# Altium PCB A1_v40.PcbDoc (part 1 of 2)
Units mm, origin at the board's own origin, x right, y up, seen from the top; angles counter-clockwise.
Board outline 100 x 80 mm, 2 copper layers (Top Layer, Bottom Layer); 81 components, 87 nets, 322 pads, 40 vias.
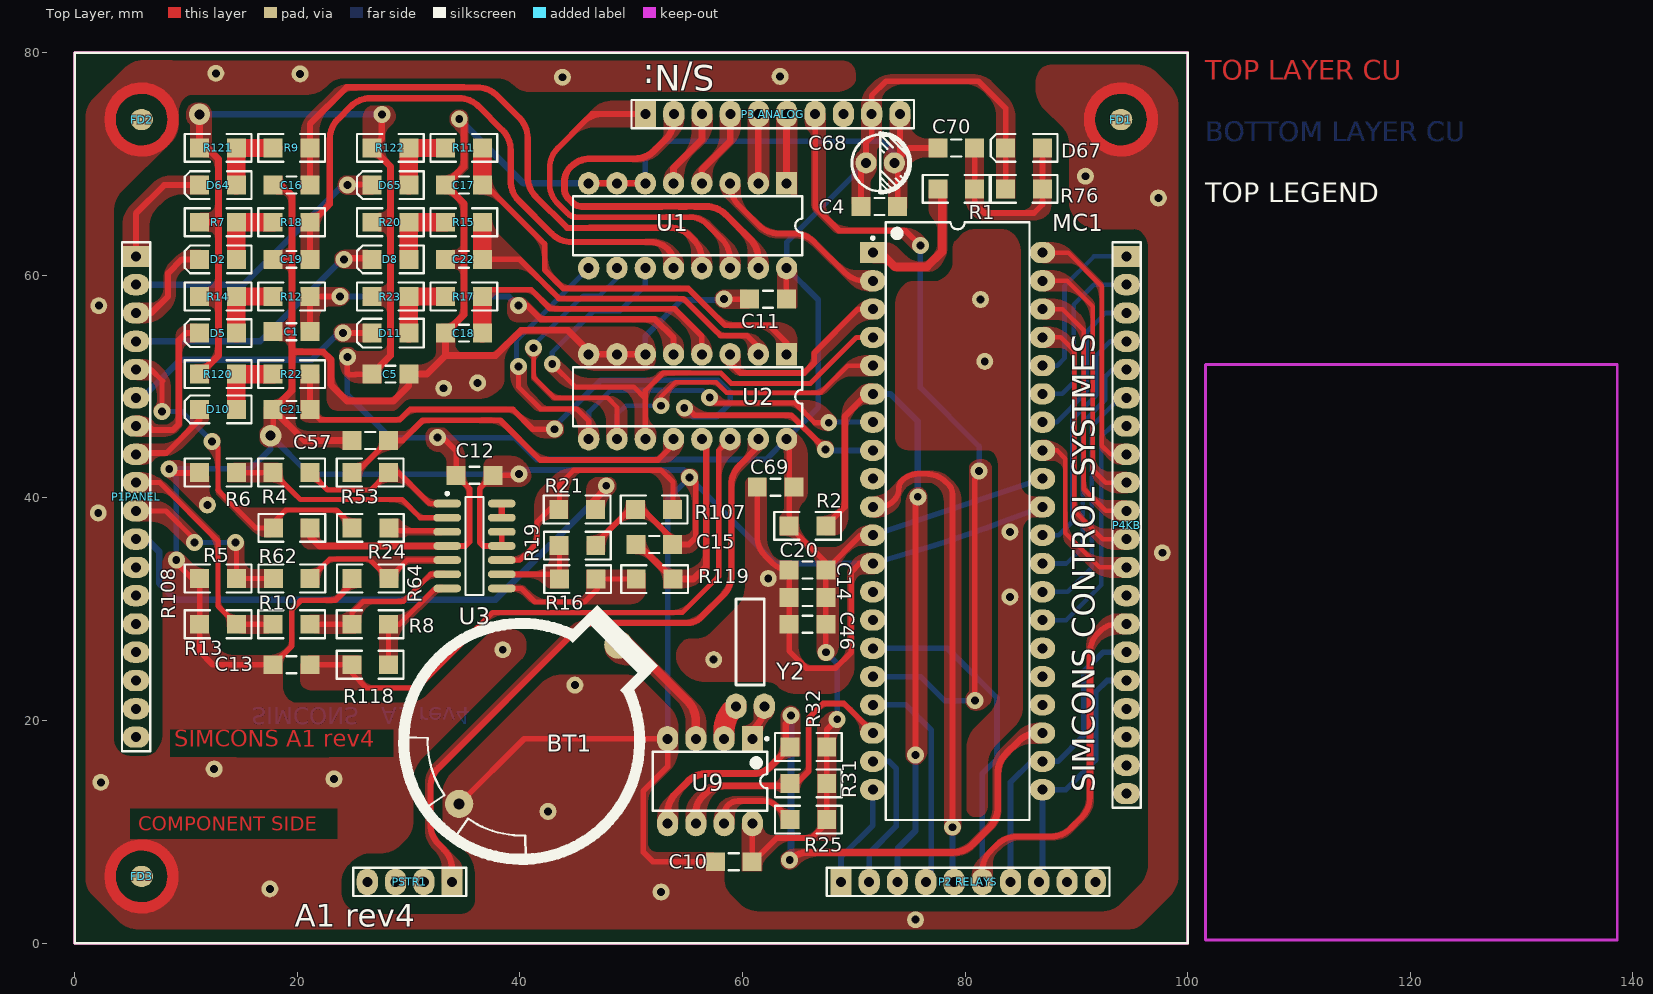
[diagram p0: Top Layer view]
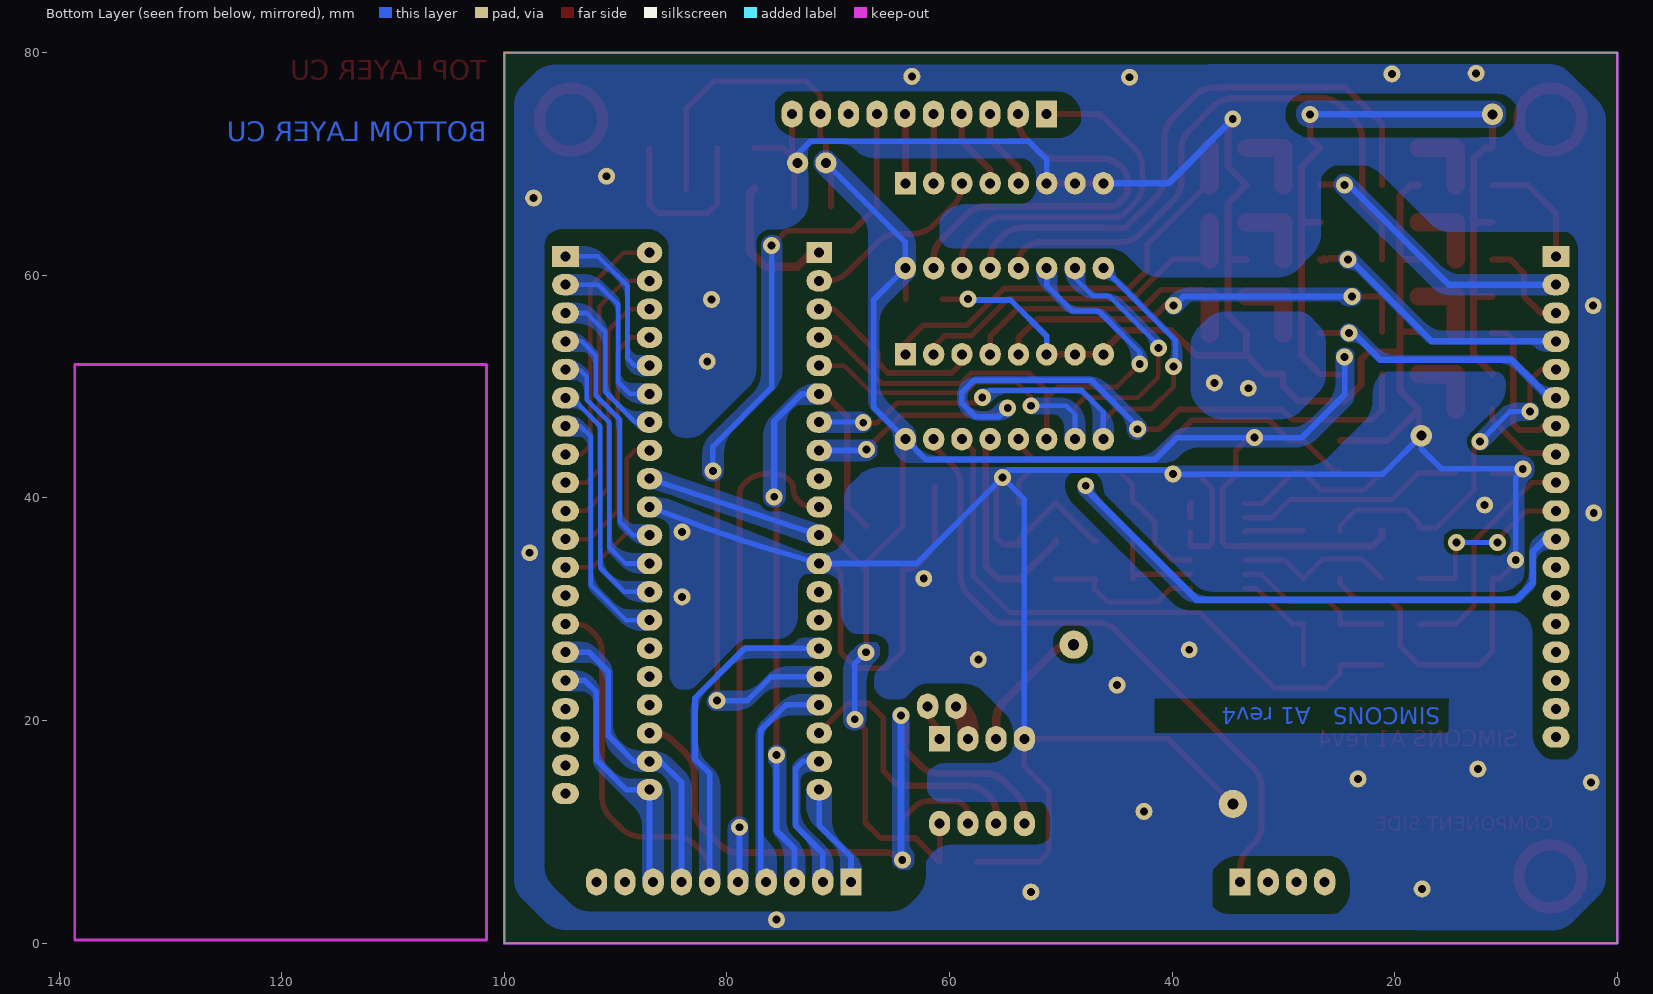
[diagram p1: Bottom Layer view, seen from below]
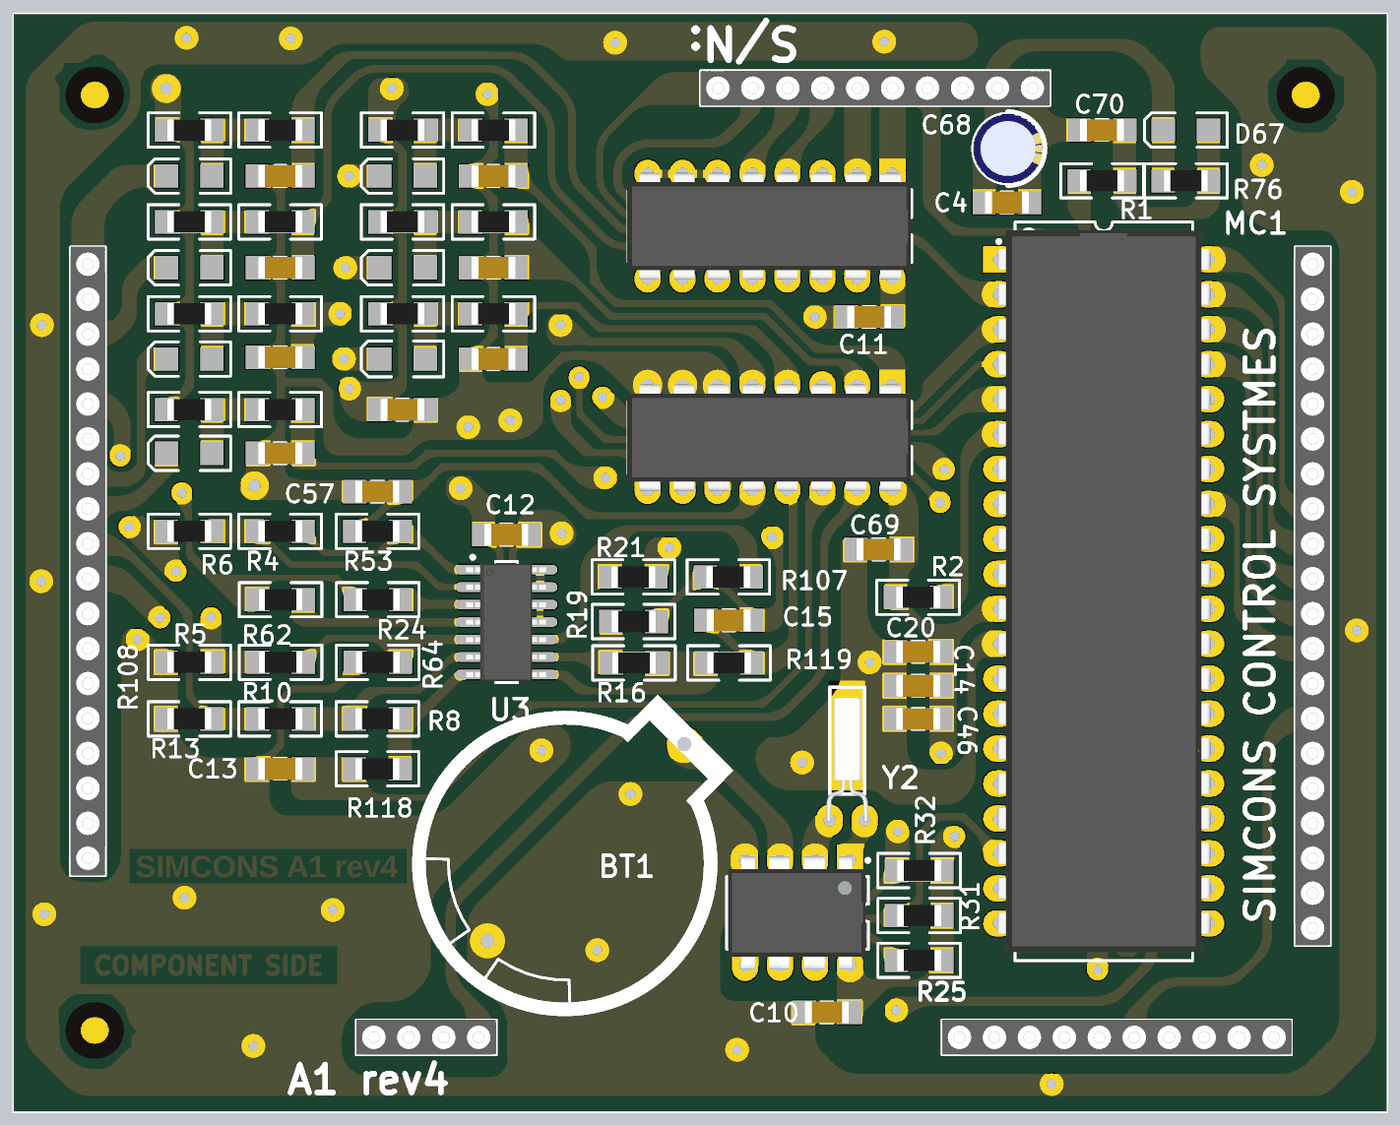
[diagram p3: 3D render of the assembled board from above, using the file's embedded part models]

## Layer stack, top to bottom
Top Solder: solder mask 0.0102, Solder Resist, Dk 3.5
Top Layer: signal copper 0.0356
Dielectric1: dielectric 0.32, FR-4, Dk 4.8
Bottom Layer: signal copper 0.0356
Bottom Solder: solder mask 0.0102, Solder Resist, Dk 3.5

## Board outline
0,0 100,0 100,80 0,80

## Design rules (kind name [scope] priority, off if disabled: settings)
Clearance [All] p1: gap=0.406 ignorepadtopadclearanceinfootprint=FALSE
Height [All] p1: minheight=0 maxheight=254 prefheight=12.7
MinimumSolderMaskSliver [All] p1 off: minsoldermaskwidth=0.254
PlaneClearance [All] p1: clearance=0.559
PlaneConnect [All] p1: planeconnectstyle=Direct reliefexpansion=0.508 reliefentries=4 reliefconductorwidth=0.254 reliefairgap=0.254
PolygonConnect [All] p1: connectstyle=Direct reliefconductorwidth=0.254 reliefentries=4 polygonreliefangle="90 Angle" airgapwidth=0.254
RoutingVias [All] p1: holewidth=0.711 width=1.905 viastyle="Through Hole" minholewidth=0.711 minwidth=1.524 maxholewidth=0.711 maxwidth=2.54
SilkToSilkClearance [All] p1 off: silktosilkclearance=0.254
SilkToSolderMaskClearance SilkscreenOverComponentPads [IsPad] p1 off: minsilkscreentomaskgap=0.254 clearancetoexposedcopper=TRUE
SolderMaskExpansion [All] p1: expansion=0.102
Width [All] p1: maxlimit=3.048 minlimit=0.406 preferedwidth=0.559
24 further rules are at their usual default settings.

## Classes and differential pairs
component class PROCESSORv35: C10 C11 C14 C46 C68 C69 C70 D67 FD1 FD2 FD3 MC1 P1PANEL "P2 RELAYS" "P3 ANALOG" P4KB PSTR1 R1 R2 R76 U1 U2
component class IO_v35: BT1 C1 C4 C5 C12 C13 C15 C16 C17 C18 C19 C20 C21 C22 C57 D2 D5 D8 D10 D11 D64 D65 R4 R5 R6 R7 R8 R9 R10 R11 R12 R13 R14 R15 R16 R17 R18 R19 R20 R21 R22 R23 R24 R25 R31 R32 R53 R62 R64 R107 R108 R118 R119 R120 R121 R122 U3 U9 Y2

## Components (designator, comment, footprint, x,y, rotation, side; value= is the part's Value field where it differs from the comment)
BT1 "CR2032" CELL_HOLDER 40.157,18.136 r45 top
C1 ".1uF 1206" C1206 19.475,54.94 r0 top value=100pF
C4 ".1uF 1206" C1206 72.288,66.192 r180 top value=100pF
C5 ".1uF 1206" C1206 28.365,51.13 r180 top value=100pF
C10 ".1uF 1206" C1206 59.207,7.315 r0 top value=100pF
C11 ".1uF 1206" C1206 62.281,57.861 r0 top value=100pF
C12 ".1uF 1206" C1206 35.916,42.037 r180 top value=100pF
C13 "1uF 1206" C1206 19.475,25.019 r180 top value=1uF
C14 "1uF 1206" C1206 65.837,31.064 r0 top value=100pF
C15 "1uF 1206" C1206 52.07,35.814 r0 top value=1uF
C16 ".1uF 1206" C1206 19.475,68.113 r0 top value=100pF
C17 ".1uF 1206" C1206 34.969,68.113 r0 top value=100pF
C18 ".1uF 1206" C1206 34.969,54.813 r0 top value=100pF
C19 ".1uF 1206" C1206 19.475,61.438 r0 top value=100pF
C20 ".1uF 1206" C1206 65.837,33.528 r0 top value=100nF
C21 ".1uF 1206" C1206 19.475,47.955 r0 top value=100pF
C22 ".1uF 1206" C1206 34.969,61.438 r0 top value=100pF
C46 ".1uF 1206" C1206 65.837,28.651 r0 top value=100pF
C57 "1uF 1206" C1206 26.543,45.161 r180 top value=10uF
C68 "100uF/25V" CAP_.1 72.365,70.104 r90 top value=100pF
C69 ".1uF 1206" C1206 62.967,40.97 r0 top value=100pF
C70 "1uF 1206" C1206 79.197,71.45 r180 top value=10uF
D2 "1N4148 SMD" 4148SMDW 12.871,61.438 r0 top
D5 "1N4148 SMD" 4148SMDW 12.871,54.813 r0 top
D8 "1N4148 SMD" 4148SMDW 28.365,61.438 r0 top
D10 "1N4148 SMD" 4148SMDW 12.871,47.955 r0 top
D11 "1N4148 SMD" 4148SMDW 28.365,54.813 r0 top
D64 "1N4148 SMD" 4148SMDW 12.871,68.113 r0 top
D65 "1N4148 SMD" 4148SMDW 28.365,68.113 r0 top
D67 "1N4148 SMD" 4148SMDW 85.293,71.45 r0 top
FD1 "Fiducial - Round" "FIDUCIAL 2mm" 94,74 r180 top locked
FD2 "Fiducial - Round" "FIDUCIAL 2mm" 6,74 r180 top locked
FD3 "Fiducial - Round" "FIDUCIAL 2mm" 6,6 r180 top locked
MC1 "PIC18F4620-I/P" PDIP600-P40 79.324,37.922 r0 top
P1PANEL "Header 18" HDR1X18_BURGE_F 5.5,61.7 r270 top locked
"P2 RELAYS" "Header 10" HDR1X10_BURGE_F 68.84,5.5 r0 top locked
"P3 ANALOG" "Header 10" HDR1X10_BURGE_F 51.28,74.5 r0 top locked
P4KB "Header 20" HDR1X20_BURGE_F 94.5,61.7 r270 top locked
PSTR1 "Header 4" HDR1X4_BURGE_F 33.9,5.5 r180 top locked
R1 "4.7K 1206" R1206 79.197,67.767 r0 top value=10K
R2 "4.7K 1206" R1206 65.837,37.49 r180 top value=1K
R4 "220K 1206" R1206 19.475,42.291 r180 top value=33K
R5 "1K 1206" R1206 19.5,37.312 r180 top value=1K
R6 "100K 1206" R1206 12.871,42.291 r180 top value=10K
R7 "2.2K 1206" R1206 12.871,64.775 r0 top value=1K
R8 "1M 1206" R1206 26.543,28.651 r0 top value=1K
R9 "100K 1206" R1206 19.475,71.45 r0 top value=1K
R10 "1M 1206" R1206 19.475,28.651 r0 top value=1K
R11 "100K 1206" R1206 34.969,71.45 r0 top value=1K
R12 "100K 1206" R1206 19.475,58.1 r0 top value=10K
R13 "47K 1206" R1206 12.871,28.651 r0 top value=100
R14 "2.2K 1206" R1206 12.871,58.1 r0 top value=1K
R15 "100K 1206" R1206 34.969,64.775 r0 top value=33K
R16 "220K 1206" R1206 45.187,32.715 r0 top value=1K
R17 "100K 1206" R1206 34.969,58.1 r0 top value=1K
R18 "100K 1206" R1206 19.475,64.775 r0 top value=10K
R19 "220K 1206" R1206 45.161,35.725 r180 top value=1K
R20 "2.2K 1206" R1206 28.365,64.775 r0 top value=1K
R21 "100K 1206" R1206 45.136,38.964 r0 top value=100
R22 "100K 1206" R1206 19.475,51.13 r0 top value=1K
R23 "2.2K 1206" R1206 28.365,58.1 r0 top value=1K
R24 "100K 1206" R1206 26.568,37.312 r0 top value=1K
R25 "100K 1206" R1206 65.913,11.1 r180 top value=1K
R31 "4.7K 1206" R1206 65.913,14.351 r180 top value=1K
R32 "4.7K 1206" R1206 65.913,17.628 r180 top value=1K
R53 "220K 1206" R1206 26.543,42.291 r0 top value=33K
R62 "1M 1206" R1206 19.5,32.766 r0 top value=1K
R64 "1M 1206" R1206 26.568,32.766 r0 top value=1K
R76 "100K 1206" R1206 85.293,67.767 r0 top value=33K
R107 "220K 1206" R1206 52.045,38.964 r180 top value=100
R108 "47K 1206" R1206 12.871,32.766 r0 top value=1K
R118 "100K 1206" R1206 26.543,25.019 r180 top value=1K
R119 "220K 1206" R1206 52.095,32.715 r0 top value=1K
R120 "2.2K 1206" R1206 12.871,51.13 r180 top value=1K
R121 "2.2K 1206" R1206 12.871,71.45 r180 top value=1K
R122 "2.2K 1206" R1206 28.365,71.45 r180 top value=1K
U1 "HCF4051BEY" DIP16 55.067,64.465 r180 top
U2 "HCF4051BEY" DIP16 55.067,49.098 r180 top
U3 "LM324D" SOIC14_M 35.916,35.687 r0 top
U9 "DS1307" DIP-8 57.074,14.554 r270 top
Y2 "XTAL 32.768KHz 6pF" XTALWATCH 60.681,21.285 r0 top

## Footprints (in the part's own frame and the unit in brackets; to place one, negate y for a bottom-side part, rotate by r counter-clockwise, add the part's x,y. Pads: shape width x height; smd on the part's side, far side on the other; paste and mask are expansions set on the pad)
4148SMDW [mm] "Diode 250mA"
  rect 1.7x1.7 smd: 1(1.65,0) 2(-1.65,0)
  silkscreen extent -3,-1.25 3,1.25, body extent -1.78,-0.76 1.91,0.76, height 1.52
C1206 [mm] "Chip Capacitor, Body 3.2x1.6mm, IPC High Density"
  rect 1.7x1.7 smd: 1(-1.65,0) 2(1.65,0)
  silkscreen extent -0.44,-0.76 0.44,0.76, body extent -1.6,-0.8 1.6,0.8, height 1
CAP_.1 [mm]
  round 1.905 hole 0.9: 1(0,1.27) 2(0,-1.27)
  silkscreen extent -2.67,-2.67 2.67,2.54, body extent -2.54,-2.54 2.54,2.54, height 12.7
CELL_HOLDER [mm] "Lithium Battery Holder for CR2032 3V Cell"
  round 2.54 hole 1: 1(12.275,0)
  round 2.54 hole 1 mask+0: 2(-7.95,0)
  silkscreen extent -10.6,-10.6 13.47,10.6, body extent -10.62,-10.59 13.17,10.63, height 10
DIP16 [mm] "DIP; 16 Leads; Row Spacing 7.62 mm; Pitch 2.54 mm"
  rect 1.905x2.032 hole 0.9: 1(-8.89,-3.81)
  oval 1.905x2.032 hole 0.9: 2(-6.35,-3.81) 3(-3.81,-3.81) 4(-1.27,-3.81) 5(1.27,-3.81) 6(3.81,-3.81) 7(6.35,-3.81) 8(8.89,-3.81) 9(8.89,3.81) 10(6.35,3.81) 11(3.81,3.81) 12(1.27,3.81) 13(-1.27,3.81) 14(-3.81,3.81) 15(-6.35,3.81) 16(-8.89,3.81)
  silkscreen extent -10.3,-2.65 10.3,2.65, body extent -10.24,-3.88 10.36,3.88, height 4.5
DIP-8 [mm] "DIP; 8 Leads; Row Spacing 7.62 mm; Pitch 2.54 mm"
  rect 2.286x1.905 hole 0.9: 1(-3.81,3.81)
  oval 2.286x1.905 hole 0.9: 2(-3.81,1.27) 3(-3.81,-1.27) 4(-3.81,-3.81) 5(3.81,-3.81) 6(3.81,-1.27) 7(3.81,1.27) 8(3.81,3.81)
  silkscreen extent -3.93,-5.15 2.65,5.24, body extent -4.13,-5.06 4.13,4.94, height 5.1
"FIDUCIAL 2mm" [mil]
  oval 80x75 smd paste-59.06 mask+43.31: ""(0,0)
HDR1X4_BURGE_F [mm] "Connector; Header; 4 Position"
  rect 1.905x2.413 hole 0.9: 1(0,0)
  oval 1.905x2.413 hole 0.9: 2(2.54,0) 3(5.08,0) 4(7.62,0)
  silkscreen extent -1.27,-1.27 8.89,1.27, body extent -1.27,-1.27 8.89,1.27, height 6.02
HDR1X10_BURGE_F [mm] "Connector; Header; 10 Position"
  rect 1.905x2.413 hole 0.9: 1(0,0)
  oval 1.905x2.413 hole 0.9: 2(2.54,0) 3(5.08,0) 4(7.62,0) 5(10.16,0) 6(12.7,0) 7(15.24,0) 8(17.78,0) 9(20.32,0) 10(22.86,0)
  silkscreen extent -1.27,-1.27 24.13,1.27, body extent -1.27,-1.27 24.13,1.27, height 6.02
HDR1X18_BURGE_F [mm] "Connector; Header; 18 Position"
  rect 1.905x2.413 hole 0.9: 1(0,0)
  oval 1.905x2.413 hole 0.9: 2(2.54,0) 3(5.08,0) 4(7.62,0) 5(10.16,0) 6(12.7,0) 7(15.24,0) 8(17.78,0) 9(20.32,0) 10(22.86,0) 11(25.4,0) 12(27.94,0) 13(30.48,0) 14(33.02,0) 15(35.56,0) 16(38.1,0) 17(40.64,0) 18(43.18,0)
  silkscreen extent -1.27,-1.27 44.45,1.27, body extent -1.27,-1.27 44.45,1.27, height 6.02
HDR1X20_BURGE_F [mm] "Connector; Header; 20 Position"
  rect 1.905x2.413 hole 0.9: 1(0,0)
  oval 1.905x2.413 hole 0.9: 2(2.54,0) 3(5.08,0) 4(7.62,0) 5(10.16,0) 6(12.7,0) 7(15.24,0) 8(17.78,0) 9(20.32,0) 10(22.86,0) 11(25.4,0) 12(27.94,0) 13(30.48,0) 14(33.02,0) 15(35.56,0) 16(38.1,0) 17(40.64,0) 18(43.18,0) 19(45.72,0) 20(48.26,0)
  silkscreen extent -1.27,-1.27 49.53,1.27, body extent -1.27,-1.27 49.53,1.27, height 6.02
PDIP600-P40 [mm] "DIP, 40-Leads, Row Spacing 15.24mm, Pitch 2.54mm, Body 51.8x13.5mm"
  rect 2.286x1.905 hole 0.9: 1(-7.62,24.13)
  oval 2.286x1.905 hole 0.9: 2(-7.62,21.59) 3(-7.62,19.05) 4(-7.62,16.51) 5(-7.62,13.97) 6(-7.62,11.43) 7(-7.62,8.89) 8(-7.62,6.35) 9(-7.62,3.81) 10(-7.62,1.27) 11(-7.62,-1.27) 12(-7.62,-3.81) 13(-7.62,-6.35) 14(-7.62,-8.89) 15(-7.62,-11.43) 16(-7.62,-13.97) 17(-7.62,-16.51) 18(-7.62,-19.05) 19(-7.62,-21.59) 20(-7.62,-24.13) 21(7.62,-24.13) 22(7.62,-21.59) 23(7.62,-19.05) 24(7.62,-16.51) 25(7.62,-13.97) 26(7.62,-11.43) 27(7.62,-8.89) 28(7.62,-6.35) 29(7.62,-3.81) 30(7.62,-1.27) 31(7.62,1.27) 32(7.62,3.81) 33(7.62,6.35) 34(7.62,8.89) 35(7.62,11.43) 36(7.62,13.97) 37(7.62,16.51) 38(7.62,19.05) 39(7.62,21.59) 40(7.62,24.13)
  silkscreen extent -7.74,-26.85 6.45,26.85, body extent -7.75,-26.22 7.75,26.22, height 5.7
R1206 [mm] "Chip Capacitor, Body 3.2x1.6mm, IPC High Density"
  rect 1.7x1.7 smd: 1(-1.65,0) 2(1.65,0)
  silkscreen extent -3,-1.25 3,1.25, body extent -1.59,-0.77 1.59,0.77, height 0.63
SOIC14_M [mm] "SOIC, 14-Leads, Body 8.7x3.9mm, Pitch 1.27mm, IPC Low Density"
  oval 2.5x0.7 smd: 1(-2.45,3.81) 2(-2.45,2.54) 3(-2.45,1.27) 4(-2.45,0) 5(-2.45,-1.27) 6(-2.45,-2.54) 7(-2.45,-3.81) 8(2.45,-3.81) 9(2.45,-2.54) 10(2.45,-1.27) 11(2.45,0) 12(2.45,1.27) 13(2.45,2.54) 14(2.45,3.81)
  silkscreen extent -2.57,-4.4 0.8,4.83, body extent -2.92,-4.28 2.88,4.27, height 1.75
XTALWATCH [mm]
  oval 1.905x2.286 hole 0.9: 1(1.27,0) 2(-1.27,0)
  silkscreen extent -1.27,1.91 1.27,9.65, body extent -1.53,-0.08 1.53,8.9, height 2

## Part data
BT1: library part Battery, "Multicell Battery", LatestRevisionDate=17-Jul-2002, LatestRevisionNote="Re-released for DXP Platform.", PackageDescription="Battery; 2 Leads", PackageReference=BAT-2, Published=24-Mar-1999, Publisher="Altium Limited"
C1 C4 C5 C10 C11 C12 C14 C16 C17 C18 C19 C20 C21 C22 C46 C68 C69: library part Cap, "Capacitor", LatestRevisionDate=17-Jul-2002, LatestRevisionNote="Re-released for DXP Platform.", PackageDescription="Radial Cap, Thru-Hole; 2 Leads; 0.3 in Pin Spacing", PackageReference=RAD-0.3, Published=8-Jun-2000, Publisher="Altium Limited"
C13 C15 C57 C70: library part Cap2, "Capacitor", PackageDescription="Capacitor; 2 Leads", PackageReference=CAPR5-4X5, Published=23-Sep-2002, Publisher="Altium Limited"
D2 D5 D8 D10 D11 D64 D65 D67: library part "Diode 1N4001", "1 Amp General Purpose Rectifier", Code_JEDEC=DO-204-AL, ComponentLink1Description="Manufacturer Link", ComponentLink1URL=http://www.fairchildsemi.com/, ComponentLink2Description=Datasheet, ComponentLink2URL=http://www.fairchildsemi.com/ds/1N%2F1N4001.pdf, DatasheetVersion=1998, LatestRevisionDate=17-Jul-2002, LatestRevisionNote="Re-released for DXP Platform.", PackageDescription="Diode, Axial; Body 5.2 x 2.7 mm (LxDia. max), Lead Dia. 0.86 mm (max)", PackageReference=DO-41, PackageVersion=Aug-1999, Published=8-Jun-2000, Publisher="Altium Limited"
FD1 FD2 FD3: library part "FIDUCIAL ROUND", "Fiducial - Round 1.5mm Top-Bottom", Category=Graphic-PCB, Status=Unreleased
MC1: library part PIC16F877A-I/P, "Enhanced FLASH Microcontroller, 8K (x14-Bit words) FLASH, 368 Bytes RAM, 40-Pin PDIP, Standard VDD Range, Industrial Temperature", Supplier Part Number 1=PIC16F877A-I/P-ND, ComponentAvailability="Unknown. Contact manufacturer to determine status.", ComponentLink1Description=Datasheet, ComponentLink1URL=http://ww1.microchip.com/downloads/en/DeviceDoc/39582b.pdf, ComponentLink2Description="Packaging Specification", ComponentLink2URL=http://www.microchip.com/stellent/groups/techpub_sg/documents/packagingspec/en012702.pdf, ComponentLink3Description="Microchip.com Home", ComponentLink3URL=http://www.microchip.com/, DatasheetVersion="revB, Oct-2003", LatestRevisionDate=29-Jan-2009, LatestRevisionNote="Sch. layout revised. 3D Model Removed.", PackageDescription="40-Lead Plastic Dual In-Line (P) - 600 mil Body [PDIP]", PackageReference=PDIP600-P40, PackageVersion="revBB, Aug-2009", Published=11-Oct-2004, Publisher="Altium Limited", Supplier 1=Digi-Key, Supplier 2=Farnell, Supplier 3=Farnell, Supplier Part Number 2=1523966, Supplier Part Number 3=9761446
P1PANEL: "Header, 18-Pin", LatestRevisionDate=17-Jul-2002, LatestRevisionNote="Re-released for DXP Platform.", Publisher="Altium Limited"
"P2 RELAYS" "P3 ANALOG": "Header, 10-Pin", LatestRevisionDate=17-Jul-2002, LatestRevisionNote="Re-released for DXP Platform.", Publisher="Altium Limited"
P4KB: "Header, 20-Pin", LatestRevisionDate=17-Jul-2002, LatestRevisionNote="Re-released for DXP Platform.", Publisher="Altium Limited"
PSTR1: "Header, 4-Pin", LatestRevisionDate=17-Jul-2002, LatestRevisionNote="Re-released for DXP Platform.", Publisher="Altium Limited"
R1 R2 R4 R5 R6 R7 R8 R9 R10 R11 R12 R13 R14 R15 R16 R17 R18 R19 R20 R21 R22 R23 R24 R25 R31 R32 R53 R62 R64 R76 R107 R108: library part Res1, "Resistor", LatestRevisionDate=17-Jul-2002, LatestRevisionNote="Re-released for DXP Platform.", PackageDescription="Axial Device, Thru-Hole; 2 Leads; 0.3 in Pin Spacing", Published=8-Jun-2000, Publisher="Altium Limited"
  R1 R76: PackageReference=AXIAL-0.4
  R2 R4 R5 R6 R7 R8 R9 R10 R11 R12 R13 R14 R15 R16 R17 R18 R19 R20 R21 R22 R23 R24 R25 R31 R32 R53 R62 R64 R107 R108: PackageReference=AXIAL-0.3
R118 R119 R120 R121 R122: library part "Res Semi", "Semiconductor Resistor", LatestRevisionDate=17-Jul-2002, LatestRevisionNote="Re-released for DXP Platform.", PackageDescription="Axial Device, Thru-Hole; 2 Leads; 0.5 in Pin Spacing", PackageReference=AXIAL-0.5, Published=8-Jun-2000, Publisher="Altium Limited"
U1 U2: "Analog Multiplexer/Demultiplexer", ComponentLink1Description="Manufacturer Link", ComponentLink1URL=http://www.st.com/, ComponentLink2Description=Datasheet, ComponentLink2URL=http://www.st.com/stonline/products/literature/ds/2053/hcf4051.pdf, DatasheetVersion=Jun-1989, LatestRevisionDate=06-Jun-2005, LatestRevisionNote="Stylized 3D Model Added.", PackageDescription="DIP; 16 Leads; Row Spacing 7.62 mm; Pitch 2.54 mm", PackageReference=DIP16, PackageVersion=Apr-1996, Published=8-Jun-2000, Publisher="Altium Limited"
U3: "Quadruple Operational Amplifier", Code_IPC=SOIC127P600-14, ComponentLink1Description="Manufacturer Link", ComponentLink1URL=http://www.ti.com/, ComponentLink2Description=Datasheet, ComponentLink2URL=http://www-s.ti.com/sc/ds/lm324.pdf, DatasheetVersion=Feb-1997, LatestRevisionDate=13-Apr-2006, LatestRevisionNote="IPC-7351 Footprint Added.", PackageDescription="14-Pin Small Outline Integrated Circuit 1.27 mm Pitch", PackageReference=D014, PackageVersion=Jan-1998, Published=16-Jan-2001, Publisher="Altium Limited"
U9: "64 X 8 Serial Real-Time Clock", ComponentLink1Description="Manufacturer Link", ComponentLink1URL=http://www.maxim-ic.com/, ComponentLink2Description=Datasheet, ComponentLink2URL=http://pdfserv.maxim-ic.com/en/ds/DS1307.pdf, ComponentLink3Description="Discontinuation Notice", ComponentLink3URL=http://www.maxim-ic.com/qa/pdfs/non-obsolescence-letter.pdf, DatasheetVersion=10-Aug-1999, LatestRevisionDate=17-Jul-2002, LatestRevisionNote="Re-released for DXP Platform.", PackageDescription="DIP, 8-Pin, Row Spacing 7.62 mm, Pitch 2.54 mm", PackageReference=DIP8, PackageVersion=1999, Published=13-Oct-2000, Publisher="Altium Limited"
Y2: library part XTAL, "Crystal Oscillator", LatestRevisionDate=17-Jul-2002, LatestRevisionNote="Re-released for DXP Platform.", PackageDescription="Crystal, Thru-Hole; 2 Leads; Body 3.1 x 8.2 mm (Dia.xH)", PackageReference=R38, Published=8-Jun-2000, Publisher="Altium Limited"

## Free pads (board coordinates)
  round 1.524 hole 0.711: 2(23.292,14.757) 3(12.522,15.646) 4(17.526,4.877) 5(42.52,11.836) 6(52.68,4.597) 7(57.404,25.476) 8(62.306,32.766) 9(81.382,57.836) 10(81.763,52.273) 11(36.195,50.343) 12(33.147,49.86) 13(44.933,23.19) 14(84.023,36.957) 15(84.023,31.115) 16(38.456,26.365) 17(90.805,68.91) 18(97.358,66.954) 19(97.714,35.077) 20(75.54,2.108) 21(63.373,77.876) 22(43.815,77.8) 23(20.244,78.105) 24(12.675,78.156) 25(2.159,57.277) 26(2.108,38.659) 27(2.337,14.453) 28(11.913,39.37)

## Via types
v1: diameter 1.524, hole 0.711, Top Layer to Bottom Layer, 38 vias
v2: diameter 1.905, hole 0.9, Top Layer to Bottom Layer, 2 vias

## Nets (pads, with @x,y where several pads share a name; then routed paths per layer and width w, separated by ;. In a path a pad name is that pad's centre, name@x,y a point inside that pad or via, vN(x,y) a via of type N, cw(c..) or ccw(c..) an arc to the next point about the centre after c; other vN are vias at no path point)
AUTO: MC1.40 P4KB.8 | length 23.5
  Top Layer w0.406: MC1.40@86.944,62.052 89.256,62.052 92.278,59.03 92.278,44.704 93.062,43.92 P4KB.8@94.5,43.92
BAT: PSTR1.1 U2.15 | length 58
  Top Layer w0.559: PSTR1.1@33.9,5.5 33.9,6.628 ccw(c31.36,6.628) 33.877,6.966 ccw(c31.36,6.628) 33.156,8.424 32.697,8.883 cw(c34.493,10.679) 31.953,10.679 31.953,13.985 cw(c34.493,13.985) 32.697,15.781 44.951,28.034 cw(c46.747,26.238) 46.747,28.778 55.096,28.778 ccw(c55.096,30.426) 56.261,29.261 58.26,31.26 ccw(c56.464,33.056) 58.992,32.804 ccw(c56.464,33.056) 59.004,33.056 59.004,41.163 cw(c61.544,41.163) 59.748,42.959 61.417,44.628 U2.15@61.417,45.288
BTS+_R: P1PANEL.10 R62.1 R108.2 | length 17.1
  Top Layer w0.457: P1PANEL.10@5.5,38.84 8.201,38.84 10.744,36.297 v1(10.744,35.992) ; v1(14.453,36.017) 14.521,35.949 R108.2@14.521,32.766 R62.1@17.85,32.766
  Bottom Layer w0.457: v1(10.744,35.992) 13.665,35.992 13.868,36.195 14.046,36.017 v1(14.453,36.017)
BTS-_R: P1PANEL.9 R10.1 R13.2 | length 21
  Top Layer w0.457: P1PANEL.9@5.5,41.38 7.636,41.38 12.878,36.139 12.878,30.294 R13.2@14.521,28.651 R10.1@17.825,28.651
BTSBATT: C13.1 R118.2 U2.14 | length 55
  Top Layer w0.457: C13.1@21.125,25.019 R118.2@24.893,25.019 24.893,24.256 26.213,22.936 30.759,22.936 37.534,29.711 47.033,29.711 47.05,29.693 54.587,29.693 57.861,32.967 57.861,44.272 U2.14@58.877,45.288
COMM1: MC1.2 U1.3 | length 16.7
  Top Layer w0.508: U1.3@58.877,68.275 58.877,68.134 ccw(c61.417,68.134) 59.621,66.338 61.461,64.498 ccw(c63.257,66.294) 63.257,63.754 64.632,63.754 cw(c64.632,61.214) 66.428,63.01 69.182,60.256 ccw(c70.979,62.052) 70.979,59.512 MC1.2@71.704,59.512
COMM2: MC1.3 U2.3 | length 16.9
  Top Layer w0.508: U2.3@58.877,52.908 58.877,52.146 59.792,51.232 65.532,51.232 66.446,52.146 66.446,53.035 70.383,56.972 MC1.3@71.704,56.972
CONT_S_IN: D10.2 P1PANEL.8 | length 7.9
  Top Layer w0.508: P1PANEL.8@5.5,43.92 5.624,44.044 8.23,44.044 11.221,47.035 D10.2@11.221,47.955
CONT_SENSE: C21.2 MC1.8 R22.2 | length 69.3
  Top Layer w0.508: C21.2@21.125,47.955 22.065,47.015 29.187,47.015 30.127,47.955 39.37,47.955 41.148,46.177 v1(43.104,46.177) ; v1(54.762,48.082) 55.042,48.082 55.677,47.447 64.364,47.447 v1(67.437,44.374)
  Top Layer w0.559: C21.2@21.125,47.955 R22.2@21.125,51.13
  Bottom Layer w0.508: v1(43.104,46.177) 43.104,46.431 47.244,50.571 57.785,50.571 58.903,49.454 58.903,48.539 57.658,47.295 55.55,47.295 v1(54.762,48.082) ; v1(67.437,44.374) 67.539,44.272 MC1.8@71.704,44.272
DG-B_: "P3 ANALOG.3" U1.5 | length 7.3
  Top Layer w0.61: U1.5@53.797,68.275 53.797,69.647 56.36,72.21 56.36,74.5
DG-R_: "P3 ANALOG.1" U1.14 | length 35.3
  Top Layer w0.508: 51.28,74.5 47.51,74.5 ; 56.781,64.606 ccw(c55.279,63.103) 55.279,65.227 53.898,65.227 53.883,65.242 53.159,65.242 53.144,65.227 45.868,65.227 45.849,65.208 45.186,65.208 45.167,65.227 45.071,65.227 cw(c45.071,66.28) 44.327,65.535 43.35,66.512 cw(c44.985,68.148) 42.672,68.148 42.672,69.661 cw(c45.212,69.661) 43.416,71.458 45.714,73.756 ; 56.782,64.605 58.133,63.254 cw(c56.337,61.457) 58.877,61.457 U1.14@58.877,60.655 ; 45.714,73.756 cw(c47.51,71.96) 47.51,74.5 ; 45.714,73.756 46.458,74.5 47.51,74.5
DG-Y_: "P3 ANALOG.2" U1.15 | length 35.4
  Top Layer w0.61: 53.82,74.5 53.82,73.998 cw(c51.28,73.998) 53.076,72.202 52.103,71.229 cw(c50.307,73.025) 50.307,70.485 46.33,70.485 ccw(c46.33,67.97) 44.552,69.748 ccw(c45.901,68.399) 43.993,68.399 43.993,67.764 ccw(c45.207,67.764) 44.348,66.905 44.718,66.536 ccw(c45.547,67.366) 45.547,66.192 52.744,66.192 52.759,66.207 54.283,66.207 54.298,66.192 54.959,66.192 54.975,66.208 55.692,66.208 55.708,66.192 56.707,66.192 cw(c56.707,63.652) 58.504,65.448 60.673,63.279 cw(c58.877,61.483) 61.417,61.483 U1.15@61.417,60.655
DGSTOP: "P2 RELAYS.5" MC1.10 | length 44.5
  Top Layer w0.508: MC1.10@71.704,39.192 72.317,39.192 ccw(c72.317,40.84) 72.392,39.194 ccw(c72.317,40.84) 73.482,39.675 73.61,39.803 ccw(c72.569,40.843) 74.041,40.843 cw(c75.083,40.843) 74.346,41.58 cw(c75.755,40.171) 75.312,42.114 cw(c75.755,40.171) 75.755,42.164 76.494,42.164 cw(c76.494,39.624) 78.29,41.42 78.511,41.199 cw(c77.653,40.34) 78.867,40.34 v1(78.867,10.414)
  Bottom Layer w0.508: v1(78.867,10.414) 78.867,5.633 79,5.5
DOWN: MC1.38 P4KB.10 | length 23.4
  Top Layer w0.406: MC1.38@86.944,56.972 88.748,56.972 90.653,55.067 90.653,40.818 92.63,38.84 P4KB.10@94.5,38.84
EB-B_: "P3 ANALOG.6" U1.1 | length 6.2
  Top Layer w0.61: U1.1@63.957,68.275 63.957,74.477 63.98,74.5
EB-R_: "P3 ANALOG.4" U1.4 | length 7.3
  Top Layer w0.61: U1.4@56.337,68.275 56.337,69.494 58.9,72.057 58.9,74.5
EB-Y_: "P3 ANALOG.5" U1.2 | length 6.2
  Top Layer w0.61: U1.2@61.417,68.275 61.417,74.477 61.44,74.5
EMSTP: C18.2 R17.2 U2.4 | length 26.6
  Top Layer w0.508: R17.2@36.619,58.1 37.218,58.699 41.021,58.699 42.723,56.998 53.899,56.998 56.337,54.559 U2.4@56.337,52.908
  Top Layer w1.651: C18.2@36.619,54.813 R17.2@36.619,58.1
EMSTPIN: D11.2 P1PANEL.6 | length 23.6
  Top Layer w0.559: v1(24.104,54.813) D11.2@26.715,54.813
  Bottom Layer w0.559: P1PANEL.6@5.5,49 6.074,49 9.5,52.426 21.285,52.426 23.673,54.813 v1(24.104,54.813)
FAULTIND: MC1.27 P4KB.7 | length 22.6
  Bottom Layer w0.406: MC1.27@86.944,29.032 89.078,29.032 92.227,32.182 92.227,45.517 93.171,46.46 P4KB.7@94.5,46.46
FLDIR: C57.1 R53.1 U2.12 | length 33.4
  Top Layer w0.508: R53.1@24.893,42.291 25.322,42.291 C57.1@28.193,45.161 29.439,45.161 31.267,46.99 38.227,46.99 41.808,43.409 52.4,43.409 53.797,44.805 U2.12@53.797,45.288
FLDIRIN: P1PANEL.5 R5.2 R24.1 | length 31.8
  Top Layer w0.457: P1PANEL.5@5.5,51.54 6.855,51.54 7.899,50.495 7.849,50.444 v1(7.849,47.752) ; v1(12.319,45.085) 12.852,44.552 12.852,40.716 16.256,37.313 17.825,37.313 17.825,37.789 18.948,38.913 23.52,38.913 24.893,37.54 R24.1@24.893,37.058
  Bottom Layer w0.457: v1@7.849,48.311 v1(7.849,47.752) 9.652,47.752 v1(12.319,45.085)
FLG: C15.1 R119.2 U2.13 | length 19.9
  Top Layer w0.61: C15.1@50.445,36.22 50.445,36.015 R119.2@53.745,32.715 55.601,32.715 56.744,33.858 56.744,44.881 U2.13@56.337,45.288